# KiCad board Marble_Tiny.kicad_pcb (continued)
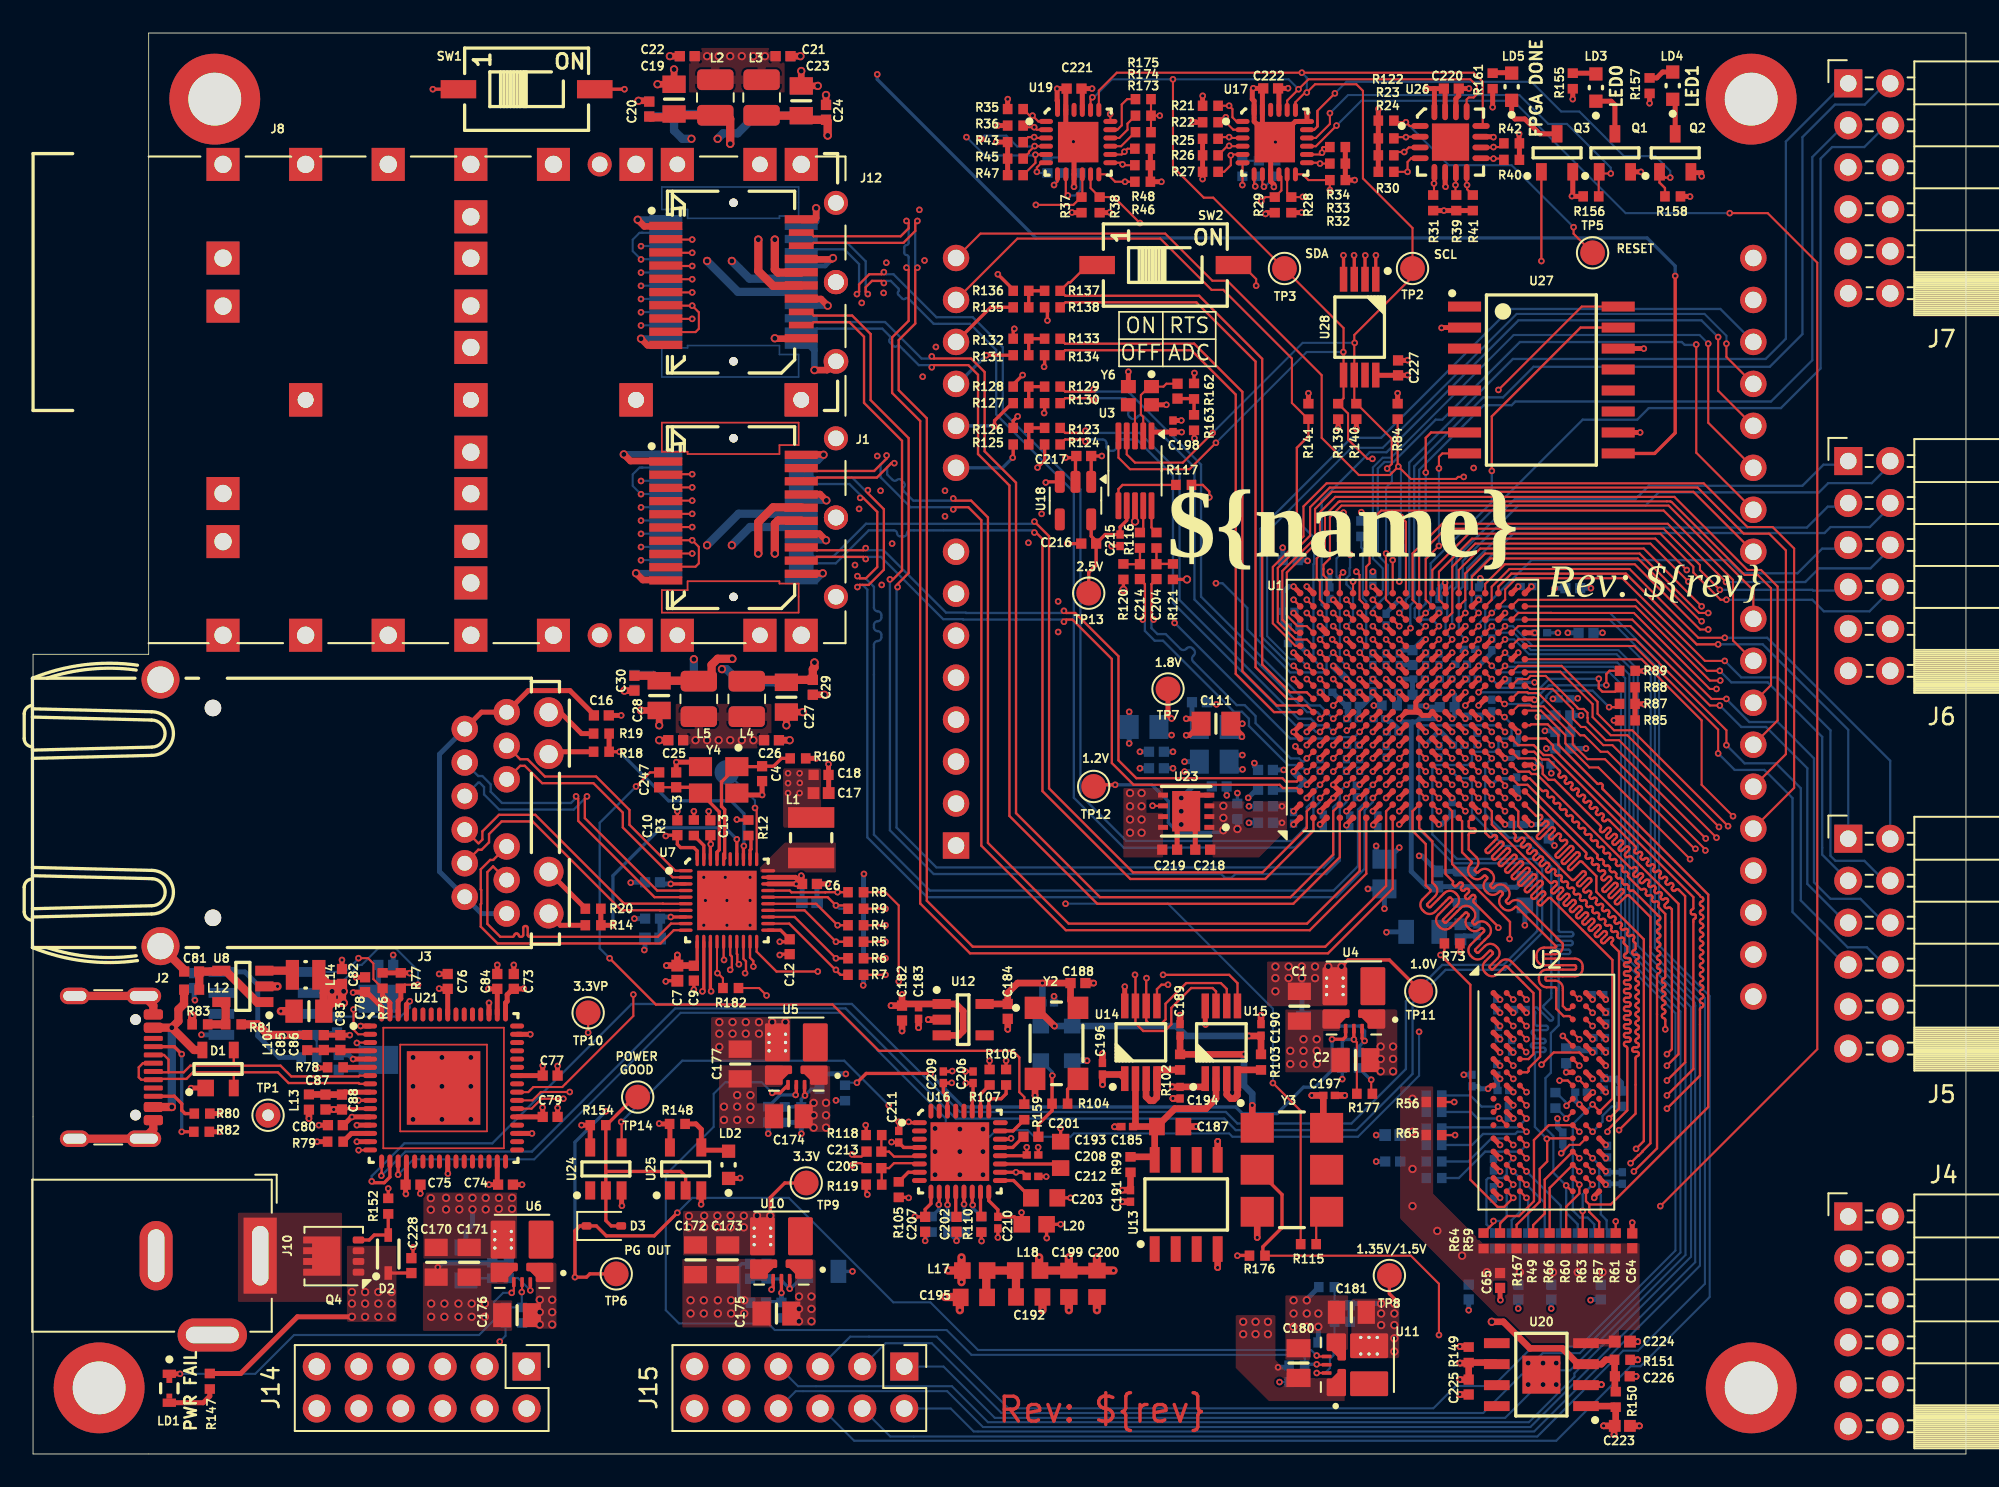
[diagram p0: board, top side]
## Nets (continued)
Net-(Y1-OUT): C193.1 R104.2 Y1.4
Net-(Y2-OUT): R104.1 Y2.3
Net-(Y3-OUT): R115.1 Y3.4

Pads without a net: A1 1 3 5 30; B1 1; B2 1; B3 1; B4 1; J2 A8 B8; J10 3; U2 J1 J9 L1 L9; U4 2; U5 2; U6 2; U7 35; U10 2; U11 2; U12 4; U13 1 2 3 6 7; U16 2 3 8 24 28 29 31 32; U17 22; U18 4; U19 22; U20 5 7 8; U21 21 22 23 24 26 27 28 29 30 32 33 34 36 41 43 44 45 46 48 52 53 54 55 57 58 59 60; U22 6 7; U24 1; U25 1; U26 17; U27 1 3 4 5 6 11 12 13; U28 7; Y3 5

## Via types
v1: diameter 0.4, hole 0.2, Top to Bottom, 966 vias
v2: diameter 0.5, hole 0.3, Top to Bottom, 259 vias

## Routing (per net, layer and track width the routed paths; a pad name or vN(x,y) marks a point on that pad's centre or on a via; arc(x,y) is an arc through that point)
1V8USB: length 8.9
  Top w0.3: v1(19.3,20.39) 19.29,20.4 19.29,20.4 ; 20.2,27.95 21.1,27.05 U21.64 ; v1(29.71,28.16) 29.7,28.15 C73.1 29.05,28.15 28.7,27.8 28.7,27.4 28.6,27.3 U21.49 ; C78.2 19.4,27.95 v1(19.37,27.92) ; v1(30.84,20.97) 30.85,20.96 C79.2 U21.37 ; C80.2 18.79,19.9 19.29,20.4 ; 19.29,20.4 U21.12
+1V0: length 44
  Top w0.2: TP11.1 82.1,29.9 79.6,29.9 v2(79.2,29.5)
  Top w0.3: U1.J12 v1(82.7,47.7) ; U1.N10 v1(86.7,46.1) ; U1.P11 v1(87.5,46.9) ; U1.N8 v1(86.7,43.7) ; U1.N12 v1(86.7,47.7) ; v1(73.2,44.2) C111.2 73.18,43.52 v1(73.18,43.41) ; U1.C5 v1(77.9,41.3) ; U1.K11 v1(84.3,46.9) ; U1.G8 v1(81.1,43.7) ; U1.F7 v1(80.3,42.9) ; U1.F11 v1(80.3,46.9) ; U1.H7 v1(81.9,42.9) ; U1.E5 v1(79.5,41.3) ; U1.M7 v1(85.9,42.9) ; U1.P9 v1(87.5,44.5) ; U1.L8 v1(85.1,43.7) ; U1.K7 v1(84.3,42.9) ; U1.L12 v1(85.1,47.7) ; U1.H11 v1(81.9,46.9) ; U1.G10 v1(81.1,46.1) ; U1.M11 v1(85.9,46.9) ; U1.J8 v1(82.7,43.7) ; U1.H9 v1(81.9,44.5) ; U1.F9 v1(80.3,44.5) ; U1.B4 v1(77.1,40.5) ; U1.F5 v1(80.3,41.3)
  Bottom w0.2: 91.58,43.7 v1(91.51,43.76) ; C106.2 92.05,44.6 ; C121.2 v1(92,45.7)
  Bottom w0.3: C96.2 85.95,42.97 85.22,43.7 v1(85.1,43.7) 85.06,43.7 84.3,42.94 v1(84.3,42.9) ; C107.2 84.4,45.2 v1(84.33,45.27) 83.72,45.27 C105.2 ; C158.2 76.49,40.2 C162.2 ; v1(73.21,41.44) 73.18,41.4 72.9,41.4 C122.2 72.8,42.3 v1(73.2,42.3) ; 92.05,44.6 v1(91.09,44.6) ; C103.2 72.25,39.88 72.26,39.87 v1(72.26,39.86) ; v1(82.7,36.7) 82,36 C110.2 81.3,36.5 v1(81.3,36.8) ; v1(81.1,46.1) 81.1,45.92 80.48,45.3 C120.2 C102.2 ; C94.2 v1(81.9,44.5) 82.08,44.32 82.2,44.32 82.7,43.82 v1(82.7,43.7) ; v2(76.8,28.8) 76.8,26.4 R1.2 ; v1(73.2,44.2) 72.6,44.2 C109.2 72.99,43.41 v1(73.18,43.41) ; C108.2 C89.2 ; C161.2 v1(75.7,41.4) ; C104.2 92.09,43.76 91.64,43.76
  vias: v2(75.2,29.5) v2(75.2,28.8) v2(75.2,28) v2(76,29.5) v2(76,28.8) v2(76.8,29.5) v2(77.6,29.5) v2(77.6,28.8) v2(78.4,29.5)
+1V2: length 14.5
  Top w0.2: v1(65.5,40.5) 64.3,40.5 TP12.1
  Top w0.3: U1.F3 v1(80.3,39.7) ; U1.A2 v1(76.3,38.9) ; v1(79.5,38.05) 79.5,38.1 U1.E1 ; U1.C1 v1(77.9,38.1) ; U1.G2 v1(81.1,38.9)
  Bottom w0.2: v2(72.05,37.75) 71.92,37.62 69.3,37.62 68.72,38.2 68.72,39.5 67.72,40.5 v1(65.5,40.5)
  Bottom w0.3: C167.2 v1(75.6,38.2) ; 72.9,37.85 R114.2 ; C168.2 v1(75.6,39.2)
  vias: v2(72.05,39.22) v2(72.05,38.5) v2(72.9,37.82)
+1V8: length 12
  Top w0.3: U1.P13 v1(87.5,48.5) ; U1.G12 v1(81.1,47.7) ; U1.H13 v1(81.9,48.5) ; TP7.1 68.7,44.72 v1(68.92,44.51) ; U1.M13 v1(85.9,48.5) ; U1.K13 v1(84.3,48.5) ; U1.E11 v1(79.5,46.9)
  Bottom w0.3: 68.12,44.01 68.12,43.81 68.42,43.51 v1(68.92,43.51) ; 68.12,44.01 68.42,44.31 ; 68.12,44.01 68.62,44.51 v1(68.92,44.51) ; C118.2 v1(69,42.5) ; C117.2 v1(69,41.5) ; v1(71.63,45.37) 71.6,45.4 70.9,45.4 71,45.5 C156.2 ; R95.2 49.19,23.01 v1(49.2,23) ; L16.1 v1(81.16,45.3)
  vias: v2(41.54,26.14) v2(41.54,25.44) v2(41.54,24.64) v2(42.34,26.14) v2(42.34,25.44) v2(43.14,26.14) v2(43.14,25.44) v2(43.94,26.14) v2(43.94,25.44) v2(44.74,26.14) v2(45.54,26.14) v2(66.4,40) v2(66.4,39.2) v2(66.4,38.4) v2(66.4,37.6) v2(67.1,40) v2(67.1,39.2) v2(67.1,38.4) v2(67.1,37.6)
+2V5: length 8.4
  Top w0.2: C216.2 64.35,55.25 64.05,55.55 U18.5 ; C216.2 64.35,53.8 63.9,53.35 TP13.1 ; C216.2 64.9,55.65 C215.1 65.8,56.1 66.2,56.5 U3.7
+3V3: length 101.6
  Top w0.127: U19.18 65.21,81.09 v1(65.2,81.1) ; R182.2 43.95,28.2 v1(44.4,27.75)
  Top w0.2: v1(61.3,58.8) 61.34,58.84 U18.3 ; v1(64.69,60.4) C217.2 U18.1 ; R12.2 42.63,38.37 v1(42.6,38.4) ; v1(38.3,37.4) 38.35,37.45 C10.2 39,36.9 39.2,36.7 40,36.7 40.2,36.5 U7.40 ; U7.11 40.2,29.75 ; v2(44.62,14.42) 44.62,15.52 45.5,16.4 TP9.1 ; 39.99,29.56 C9.2
  Top w0.3: U3.1 67.7,61.85 C198.1 69.52,61.85 v1(69.53,61.84) ; R37.2 62.9,75.13 v1(62.89,75.14) ; R155.2 v1(93.2,82) ; U21.42 C77.2 30.85,23.5 v1(30.85,23.5) ; R35.2 58.99,81.99 v1(59,82) ; R30.2 R122.2 81.43,81.39 v1(81.45,81.41) ; U7.28 v1(46.2,34.5) C6.2 ; v1(33.2,19.9) R154.1 33.73,19.89 U24.5 ; v1(97.85,81.75) R157.2 ; U1.T11 v1(89.1,46.9) ; v1(58.3,79.4) R43.2 R47.2 ; R139.2 v1(79,62.1) ; R48.2 R44.2 v1(68.3,77) ; R34.2 R32.2 v1(80,77.1) ; v1(97.5,66.9) 97.5,66.91 U27.14 ; R161.2 v1(88.35,81.51) ; C6.2 46.55,34.95 v1(46.5,35) ; C6.2 46.15,34.9 U7.29 ; U21.31 28.1,16.35 C74.2 v1(27.6,16.3) ; U1.U8 v1(89.9,43.7) ; U1.R14 v1(88.3,49.3) ; U1.U18 v1(89.9,52.5) ; v1(83.2,65.3) 83.19,65.28 C227.2 81.29,65.28 U28.8 ; U1.E10 v1(79.5,46.1) ; v1(80.1,62.05) R140.2 ; U25.5 38.55,19.95 R148.2 37.92,19.97 v1(37.9,20) ; v1(89.95,79.9) 89.95,79.34 R42.2 89.97,78.47 ; v1(70.8,82.2) 70.79,82.19 R21.2 ; U1.C10 v1(77.9,46.1) ; v1(97.53,45.37) 97.5,45.4 R87.2 ; U1.R10 v1(87.5,45.3) ; U1.D17 v1(78.7,51.7) ; U1.L16 v1(85.1,50.9) ; U1.B13 v1(77.1,48.5) ; U21.56 C76.2 24.59,28.15 v1(24.58,28.17) ; R87.2 R85.2 ; R87.2 R88.2 ; v1(64.1,82.64) 64.1,82.64 C221.2 63.51,82.59 U19.21 ; v1(74.61,75.05) 74.68,75.13 R28.2 ; U1.V15 v1(90.9,49.7) ; U1.P17 v1(87.5,51.7) ; 79.3,56.95 v1(79.33,56.97) ; U1.G18 v1(81.1,52.5) ; R84.1 v1(82.6,64.2) ; R31.2 v1(85.4,75.25) R41.2 ; R141.2 v1(77.2,64.2) ; v1(22.57,15.73) 22.55,15.75 C75.2 22.6,16.35 U21.20 ; U17.21 75.41,82.6 C222.2 75.96,82.65 v1(75.97,82.66) ; v1(86.92,82.64) 86.91,82.64 C220.2 86.3,82.2 86.12,82.02 U26.14 ; U1.E14 v1(79.5,49.3) ; U27.2 85.28,68.17 v1(85.26,68.16) ; U1.A16 v1(76.3,50.9) ; R25.2 R27.2 v1(70.79,77.16) ; U1.H15 v1(81.9,50.1)
  Top w0.4: C7.2 v1(38.34,29.56) ; C7.2 39.99,29.56 ; C7.2 v1(39,30.2) ; v1(86.37,4.5) 86.37,4.5 86.8,4.5 ; 88.6,5.43 88.5,5.53 R149.2 C225.2 ; 86.8,5.5 86.37,5.5 v1(86.37,5.5)
  Top w0.5: v1(56.2,11.9) 56.2,11.1 v1(55.4,11.1) ; 56.2,11.2 v1(56.2,10.4)
  Bottom w0.2: R94.1 v1(49.6,11.05) ; C123.2 82.73,54.72 82.73,52.83 v1(82.7,52.8)
  Bottom w0.3: L15.1 81.95,31.6 v1(81.92,31.57) ; v1(89.9,43.7) 89.9,43.15 C124.2 ; C5.2 46.55,33.41 C6.2 ; v1(77.1,48.5) 76.66,48.94 C138.2 76.65,49.06 C126.2 76.65,50.55 v1(76.3,50.9) ; v1(87.5,45.3) 87.85,45.65 C146.2 ; R15.2 50.27,28.38 v1(50.25,28.36) ; C132.2 v1(92.1,52.4) ; 79.3,56.47 79.3,56.95 ; C131.2 77.1,54.1 v1(77.15,54.05) ; 93.45,49.7 v1(92.9,49.7)
  vias: v2(39.7,14.4) v2(39.7,13.7) v2(40.1,43.2) v2(40.62,14.42) v2(40.62,13.72) v2(40.8,84.6) v2(40.8,43.2) v2(41.42,14.42) v2(41.42,13.72) v2(41.5,84.6) v2(41.5,43.2) v2(42.2,84.6) v2(42.2,43.2) v2(42.22,14.42) v2(42.22,13.72) v2(42.9,84.6) v2(42.9,43.2) v2(43.02,14.42) v2(43.02,13.72) v2(43.6,84.6) v2(43.6,43.2) v2(43.82,14.42) v2(44.3,84.6)
+3V3_CLEAN: length 35.7
  Top w0.2: v1(55.61,22.46) 55.6,22.45 C209.1 55.1,21.9 55.35,21.65 U16.30 ; v1(61.36,13.07) 61.35,13.08 L20.2 v1(62.2,13.9) ; v1(56.46,22.44) 56.47,22.45 C206.1 56.9,21.7 56.85,21.65 U16.27 ; v1(51.97,18.88) 51.99,18.85 C211.1 52.7,18.55 U16.4 ; 73.73,12.02 72.92,12.02 v1(72.9,12) ; v1(53,20.1) 53.05,20.05 U16.1 ; v1(53,15.5) 52.97,15.53 R105.1 ; U16.20 60.1,18.05 C208.1 60.15,18.56 v1(60.15,18.56)
  Top w0.4: R99.2 C191.1 v1(65.94,15.96) ; v1(64.74,22.36) 64.73,22.37 C196.1 65.83,22.96 U14.1 ; U15.1 70.95,22.35 70.8,22.2 70.78,22.21 C194.1 68.95,22.21 v1(68.95,22.22) ; Y3.6 78.1,19.94 C197.1 v1(77.4,21.7) ; C182.1 52.7,27.23 U12.1 55.86,27.23 56.3,26.8 56.3,25.6 56.03,25.33 U12.3 ; C182.1 v1(52.6,27.8) ; C182.1 v1(51.94,27.13)
  Top w0.5: C200.1 v1(64.4,11.9) ; C200.1 v1(65.4,11.1) ; C200.1 L18.2 ; C199.1 v1(62.7,11.9) ; 60.9,11.1 v1(60.9,11.9)
+3V3_P: length 64.2
  Top w0.127: TP10.1 v1(33.6,25.5)
  In5.Cu w1: 24.3,15.1 30.3,15.1 32.2,17 32.2,20.07 33.6,21.47 33.6,34.4 34.93,35.73 45.03,35.73 53.75,44.44 A1.4 56.8,44.44 57.49,43.76 57.49,40.17 56.68,39.36 A1.2
  Bottom w0.3: v2(26.6,14.8) 26.6,13.85 26.2,13.45 R91.1
  vias: v2(24.08,15.48) v2(24.08,14.78) v2(25,15.5) v2(25,14.8) v2(25.8,15.5) v2(25.8,14.8) v2(26.6,15.5) v2(27.4,15.5) v2(27.4,14.8) v2(28.2,15.5) v2(28.19,14.84) v2(29,15.5) v2(28.99,14.84)
+3V3_USB: length 28.1
  Top w0.3: U21.50 C84.1 27.57,28.15 v1(27.56,28.15) ; v1(22.8,29.1) 22.78,29.12 R77.2 R76.2 ; R79.2 v1(17.2,18.9)
  Top w0.4: L13.1 v1(16.7,20.3)
  Top w0.5: v2(18.1,28) 17.7,28 17.6,27.9 ; v2(18.1,28) 18.1,27.3 ; v2(18.1,28) 18.79,28 ; L10.1 14.24,25.36 v1(13.6,26) R81.2 ; 18.1,27.3 C83.2 17.6,27.9 ; 18.1,27.3 v2(18.8,27.3) 18.7,27.4 C82.2 17.85,28.45 L14.2 17.6,28.7 17.6,27.9
  Bottom w0.3: R75.1 14.9,24 13.6,25.3 v1(13.6,26) 13.6,28.4 12.83,29.17 U22.8 11.33,29.1 C70.2
  vias: v2(15.22,25.35) v2(18.8,28)
+12V: length 54
  Top w0.2: 23,10.95 D2.1
  Top w0.3: R147.1 12.57,4.87 16,8.3 v2(19.3,8.3)
  In3.Cu w1: A1.8 51.7,50.43 51.7,34.9 50.5,33.7 50.5,29.78 49.3,28.58 49.3,24.27 48.03,23 48,23 47.65,22.65 47.65,19.91
  Bottom w0.2: 45.3,8.28 46.12,8.28 v2(46.37,8.03) ; R142.2 79.25,22.69 v1(79.25,22.69)
  Bottom w0.3: v2(30.67,7.83) 29.8,7.83 29.6,8.03 ; v1(44.5,19.39) 44.5,20.07 ; 76.03,5.25 75.37,5.25 v1(75.36,5.24)
  vias: v2(19.3,9.8) v2(19.3,9.1) v2(20.1,9.8) v2(20.1,9.1) v2(20.1,8.3) v2(20.9,9.8) v2(20.9,9.1) v2(20.9,8.3) v2(21.7,9.8) v2(21.7,9.1) v2(21.7,8.3) v2(30.67,9.33) v2(30.67,8.58) v2(31.42,9.33) v2(31.42,8.58) v2(31.42,7.83) v2(46.37,9.53) v2(46.37,8.78) v2(47.12,9.53) v2(47.12,8.78) v2(47.12,8.03) v2(47.25,21.25) v2(47.25,20.5) v2(47.25,19.75) v2(48,21.25) v2(48,20.5) v2(48,19.75) v2(73.25,8) v2(73.25,7.25) v2(74,8) v2(74,7.25) v2(74.75,8) v2(74.75,7.25) v2(81.57,24.66) v2(81.57,23.91) v2(81.57,23.16) v2(82.32,24.66) v2(82.32,23.91) v2(82.32,23.16)
GND: length 386.8
  Top w0.127: R173.1 R175.1 ; R177.1 81,21.87 v1(81,22.65) ; R174.1 v1(68.2,81)
  Top w0.14: U3.8 66.7,56.44 v2(66.71,56.44)
  Top w0.2: v1(79.32,72.55) 79.33,72.54 U28.4 ; v1(50.5,15.7) 50.43,15.77 R119.2 ; v1(50.4,19.9) 50.43,19.87 R118.2 ; v1(56.43,23.15) 56.43,23.15 C206.2 ; v1(40,28.1) C9.1 ; v1(60.8,59.7) 61.23,60.13 R124.1 ; v1(61.33,16.79) 61.31,16.8 C212.2 ; R163.1 70.28,61.5 v1(70.3,61.47) ; U28.3 79.97,72.53 v1(79.96,72.55) ; R134.1 61.23,65.83 v1(61.2,65.8) ; U21.10 v1(19.7,21.4) ; v1(59.4,68.1) 59.33,68.03 R132.2 ; C202.2 v1(55.9,12.9) ; R3.2 v1(40,38.9) ; v1(60.84,18.56) 60.85,18.55 C208.2 ; R106.1 v1(58.9,23.8) ; R152.1 21.5,16.06 v1(21.5,16.06) ; R107.1 v1(57.9,23.8) ; R110.1 57.4,12.9 v1(57.41,12.88) ; v1(80.64,72.54) 80.62,72.52 U28.2 ; v1(65.29,54.94) 65.29,54.95 C215.2 ; C211.2 v1(52.4,20.1) ; R130.1 61.23,63.03 v1(61.2,63) ; 23,11.85 v1(23,12.5) ; U16.22 59.15,19.05 v1(59.2,19.1) ; v1(40.9,38.9) 40.9,38.45 C13.1 ; R120.1 v2(66,52.3) ; C210.2 v1(58.4,13.1) ; v1(59.9,65.3) 59.33,64.73 R128.2 ; SW1.1 v1(24.2,82.6) ; R138.1 61.4,69.23 v1(61.4,68.6) ; C7.1 38.34,28.64 v1(38.3,28.6) ; v1(58.4,71.4) 59.33,70.47 R136.2 ; v1(59.6,62.8) 59.33,62.53 R126.2 ; C203.2 v1(62.8,15.5) ; U21.11 18.75,20.9 C88.1 ; C12.1 45.25,30.25 v1(45.2,30.2) ; v1(62.5,60.3) 63.05,60.3 C217.1 63.1,60.35 U18.2 ; v1(81.29,72.55) 81.28,72.54 U28.1 ; C207.2 v1(54,12.9) ; C209.2 55.62,23.15 v1(55.64,23.17) ; C216.1 v1(62.6,55.1) ; C201.2 v1(62.2,19.7) ; C10.1 v1(39,38.9) ; v2(69.85,52.93) R121.1
  Top w0.3: C64.2 v1(96.8,14) ; v1(35.64,15.02) 35.62,15.04 U24.3 ; U17.25 v1(75.2,79.4) ; U17.25 74.41,80.15 U17.23 74.41,82.6 C222.1 73.87,82.65 v1(73.86,82.66) 73.8,82.59 73.8,82 73.91,81.89 U17.24 73.91,80.91 ; U17.25 76.41,80.65 76.59,80.65 76.6,80.65 U17.18 77.11,81.17 v1(77.12,81.18) ; U17.25 73.92,80.65 73.92,80.83 ; U17.25 74.91,79.15 U17.9 74.91,77.03 75.11,76.83 v1(75.11,76.69) ; v1(88.4,79.7) 88.38,79.72 U26.11 ; v1(48.1,34.5) C6.1 ; U1.E6 v1(79.5,42.1) ; U19.25 63.01,79.15 U19.9 63.01,76.7 v1(63.01,76.7) ; U19.25 63,79.4 v1(62.97,79.43) ; U19.25 62.51,80.15 U19.23 62.51,82.59 C221.1 62,82.64 v1(61.99,82.63) 61.99,81.91 62.01,81.89 U19.24 ; C16.1 v1(35.6,44.7) ; C73.2 v1(29.1,29.6) ; U1.J17 v1(82.7,51.7) ; Y4.4 42.72,39.88 v1(44.13,39.88) 44.13,39.89 C4.2 ; U1.V1 v1(90.7,38.1) ; U1.D7 v1(78.7,42.9) ; C84.2 v1(28.1,29.6) ; U2.P1 v1(88.8,17.1) ; v1(85.5,76.7) 85.47,76.72 U26.6 ; C85.1 C86.1 19.17,25.35 v1(19.17,25.35) ; U2.B1 v1(88.8,26.7) ; U1.C6 v1(77.9,42.1) ; U1.J3 v1(82.7,39.7) ; U2.D8 v1(94.4,25.1) ; C82.1 v1(18.7,29.9) ; U1.D4 v1(78.7,40.5) U1.D3 v1(78.7,39.7) U1.C2 v1(77.9,38.9) ; R82.2 v1(11.3,19.5) ; U14.8 66.08,28.28 v1(66.08,28.28) ; U1.F4 v1(80.3,40.5) ; C77.1 31.75,23.48 v1(31.75,23.48) ; U1.A7 v1(76.3,43.7) U1.A8 ; U1.P2 v1(87.5,38.9) ; R36.1 v1(58.4,80.4) ; v1(90.89,45.64) 90.82,45.7 U1.V10 ; v1(94.5,15.5) 94.5,15.6 U2.T9 ; C80.1 v1(17.3,19.9) ; v1(83.2,66.2) 83.19,66.19 C227.1 ; R160.1 v1(47.4,42.1) ; U2.G8 v1(94.4,22.7) ; U1.L7 v1(85.1,42.9) ; v1(69.8,43.5) 70,43.5 C111.1 70.4,44.5 v1(69.8,44.5) ; U21.5 v1(19.37,23.9) ; U2.A9 v1(95.2,27.5) ; U1.E2 v1(79.5,38.9) ; U1.H6 v1(81.9,42.1) ; U21.1 v1(19.83,25.9) ; U1.T16 v1(89.1,50.9) ; v1(9.56,22.14) 9.57,22.15 D1.1 ; U1.G6 v1(81.1,42.1) ; U1.N5 v1(86.7,41.3) ; 100.35,77.55 101,77.55 101,77.55 v1(101,77.33) ; 20.2,28.85 19.55,28.85 v1(19.55,28.85) ; U25.3 40.45,15.12 v1(40.44,15.11) ; U1.H5 v1(81.9,41.3) ; 84.8,82.64 C220.1 85.47,82.56 U26.15 ; 84.8,82.64 84.83,82.61 U26.16 ; 84.8,82.64 84.38,82.64 v1(84.36,82.66) ; U1.R9 v1(88.3,44.5) ; U1.G7 v1(81.1,42.9) ; v1(23.44,15.76) 23.45,15.77 C75.1 ; J3.13 31.91,32 R14.1 ; U1.N11 v1(86.7,46.9) ; U15.8 70.95,26.01 v1(70.97,25.99) ; v1(81.12,38.06) 81.12,38.12 U1.G1 ; U1.B3 v1(77.1,39.7) ; U1.J1 v1(82.7,38.1) ; U1.U3 v1(89.9,39.7) ; v1(86.4,30.4) 86.4,30.87 R73.1 ; U2.M1 v1(88.8,18.7) ; C76.1 24.58,29.05 v1(24.58,29.05) ; U1.N15 v1(86.7,50.1) ; v1(100.3,76.1) 100.28,76.11 R158.1 ; v1(94.42,21.88) 94.38,21.88 U2.J8 ; v1(17.27,23.36) 17.79,23.36 R78.1 ; v1(97.52,47.39) 96.99,47.39 R89.1 ; U1.F10 v1(80.3,46.1) ; J3.15 31.35,42.5 R18.1 ; v1(88.82,9.31) 88.8,9.33 C65.2 ; U2.E1 v1(88.8,24.3) ; U1.V18 v1(90.7,52.5) ; U1.B7 v1(77.1,42.9) ; U1.K14 v1(84.3,49.3) ; U1.L13 v1(85.1,48.5) ; v1(42.8,16.7) 42.77,16.67 LD2.1 ; U1.L11 v1(85.1,46.9) ; U1.N9 v1(86.7,44.5) ; v1(29.6,16.3) C74.1 ; U2.D1 v1(88.8,25.1) ; U1.D12 v1(78.7,47.7) ; U23.4 69.88,39.87 69.8,39.8 U23.9 ; U1.M10 v1(85.9,46.1) ; Q3.2 93.2,76.18 v1(93.15,76.13) 93.16,76.11 R156.1 ; U1.J13 v1(82.7,48.5) ; v1(69.51,62.55) 69.51,62.55 C198.2 ; U2.B9 v1(95.2,26.7) ; v1(65.17,75.15) 65.15,75.13 R38.1 ; v1(31.75,20.95) 31.75,20.94 C79.1 ; v1(76.79,75.14) 76.78,75.13 R29.1 ; U1.J7 v1(82.7,42.9) ; U1.A18 v1(76.3,52.5) ; U2.J2 v1(89.6,21.1) ; U1.A1 v1(76.3,38.1) ; U1.L1 v1(85.1,38.1) ; U1.M8 v1(85.9,43.7) ; v1(85.47,52.74) 85.5,52.71 U1.M18 ; U1.J11 v1(82.7,46.9) ; U23.9 70.35,38.35 C218.1 ; U23.9 69.25,38.35 C219.1 ; v1(97.32,77.6) 97.32,77.6 Q1.2 ; Y4.2 40.13,41.87 v1(38.94,41.87) 38.93,41.86 C3.2 ; U2.F9 v1(95.2,23.5) ; U1.K8 v1(84.3,43.7) ; U21.13 v1(19.6,19.9) ; v1(97.28,61.82) 97.28,61.82 U27.10 ; U1.B18 v1(77.1,52.5) ; v1(25.11,16.97) 25.1,16.98 U21.25 ; U2.T1 v1(88.8,15.5) ; U2.M9 v1(95.2,18.7) ; U1.G13 v1(81.1,48.5) ; R80.2 v1(11.3,20.6) ; U1.F6 v1(80.3,42.1) ; U1.E7 v1(79.5,42.9) ; v1(70.2,80.62) 70.37,80.62 70.39,80.6 R22.1 ; U1.P8 v1(87.5,43.7) ; U1.H3 v1(81.9,39.7) ; U1.E9 v1(79.5,44.5) ; U21.51 v1(27.6,27.3) ; U1.M9 v1(85.9,44.5) ; U21.15 v1(19.6,18.9) ; Y6.4 v1(68.6,63.5) ; U1.M12 v1(85.9,47.7) ; U1.K4 v1(84.3,40.5) ; U1.T6 v1(89.1,42.1) ; U2.E2 v1(89.6,24.3) ; U2.G9 v1(95.2,22.7) ; v1(48.15,41.75) C18.1 48.16,41.09 C17.1 ; U1.P12 v1(87.5,47.7) ; U2.G1 v1(88.8,22.7) ; U1.K12 v1(84.3,47.7) ; U1.H12 v1(81.9,47.7) ; U1.G5 v1(81.1,41.3) ; U2.B3 v1(90.4,26.7) ; U1.H4 v1(81.9,40.5) ; U1.N7 v1(86.7,42.9) ; U1.F16 v1(80.3,50.9) ; U1.C7 v1(77.9,42.9) ; U1.G11 v1(81.1,46.9) ; U21.35 v1(30.2,19.4) ; U1.G9 v1(81.1,44.5) ; U1.B8 v1(77.1,43.7) ; U21.47 v1(30.1,25.4) ; U1.H10 v1(81.9,46.1) ; Y6.2 v1(66.3,65.5) ; U1.H8 v1(81.9,43.7) ; U1.A5 v1(76.3,41.3) ; U1.J2 v1(82.7,38.9) ; U1.U13 v1(89.9,48.5) ; U1.N13 v1(86.7,48.5) ; U1.A11 v1(76.3,46.9) ; U2.E8 v1(94.4,24.3) ; U2.P9 v1(95.2,17.1)
  Top w0.4: v1(97.23,1.7) 97.23,1.7 96.8,1.7 ; 46.5,60.49 47.83,60.49 v2(47.85,60.48) ; v1(65.47,19.8) 65.47,19.8 65.9,19.8 ; v1(77.9,50.1) U1.C15 ; 46.5,74.7 47.3,74.7 47.4,74.8 v2(47.4,75.4) ; v1(64.73,24.22) 64.73,24.21 C196.2 ; C25.1 v2(37.9,43.2) ; v1(97.13,6.8) 97.13,6.8 96.7,6.8 ; C184.2 v1(59,25.7) ; v1(86.37,3.6) 86.37,3.6 86.8,3.6 ; v2(35.76,60.5) 36.16,60.09 38.3,60.09 ; 38.3,74.3 37,74.3 v2(36.6,74.7) ; C29.1 47.92,45.95 ; Y2.2 60.65,21.7 v1(60.65,21.7) ; Y3.3 v1(74.1,13.1) ; v2(36.8,45) C28.1 v2(37.9,44.1) ; U13.4 71.7,11.28 v1(71.7,11.28) ; v2(36.8,67.5) 37.2,67.1 38.3,67.1 ; v1(71.71,18.92) 71.7,18.92 U13.5 ; v2(47.3,65.6) 48.07,65.6 48.1,65.63 48.1,66.13 ; 86.8,6.5 86.37,6.5 v1(86.37,6.5) ; C190.2 74.33,26.54 v1(74.34,26.55) ; v1(69,21.52) 69,21.51 69.43,21.51 ; C183.2 v1(53.6,25.8) ; v2(47.5,82.8) C23.1 v2(46.5,83.7) ; v1(97.13,5.7) 97.13,5.7 96.7,5.7 ; v2(37.8,82.9) C19.1 v2(38.8,83.8) ; v2(45.6,44.1) C27.1 v2(46.6,44.9) ; v1(97.03,4.7) 97.03,4.7 96.6,4.7 ; v1(65.94,15.26) C191.2 ; U12.2 54.19,26.28 v1(54.19,26.29) ; 46.5,58.09 47.64,58.09 v2(48.02,57.71) ; C30.1 v2(35.8,46.2) ; v1(70.4,19.82) 70.4,19.81 C187.2 ; 38.3,52.89 36.91,52.89 v2(36.5,53.3) ; v2(48.1,69.5) 47.7,69.9 46.5,69.9 ; C88.1 v1(18.2,20.85) C87.1 ; 44.9,67.5 46.5,67.5 ; v1(69.43,26.56) 69.43,26.56 C189.2 ; v2(46.45,84.6) C21.1 ; v2(48,82.25) C24.1 ; 46.5,72.3 48.34,72.3 v2(48.42,72.38) ; C26.1 v2(45.8,43.2) ; v1(94.93,4.2) 94.93,4.2 94.5,4.2 ; v2(47.8,53.3) 47.8,53.29 46.5,53.29 ; 46.5,55.69 47.6,55.69 v2(48,55.3) ; v2(36.65,81.9) 37.25,81.9 C20.1 ; C188.2 v1(64.2,28.5) ; v2(38.55,84.6) C22.1 ; C182.2 v1(52.6,25.6) ; C197.2 v1(79.4,21.7)
  Top w0.5: J2.A1 7.28,27.14 J2.S1 J2.S1 ; C83.1 v1(15,26.8) ; R83.2 9.63,26.53 v1(9.63,26.54) ; U8.2 v1(14.8,28.3) ; J2.S1 J2.S1 7.28,19.65 J2.A12 ; C81.1 9.15,29.3 J3.17 ; 56,9.5 v1(55.2,9.5) ; 56.1,9.5 v1(56.1,8.7) ; C199.2 v1(62.7,8.7) ; C200.2 v1(64.4,8.7) ; C192.2 v1(61.1,8.7)
  Bottom w0.127: R172.1 R170.1 ; R164.1 R166.1 ; 48.62,21.38 v1(48.6,21.4) ; R181.1 28.6,7.15 v1(28.25,6.8) ; R180.1 v1(75.45,4.35)
  Bottom w0.2: R112.1 55.4,13.4 v1(55.9,12.9) 55.9,12.93 R108.1 ; R111.1 54,13.03 v1(54,12.9) ; C130.1 v1(92.3,49.7) ; v1(93.5,45.73) 93.47,45.7 C121.1 ; C123.1 82.7,56.15 v1(82.67,56.17) ; C129.1 90.05,46.7 v1(90.89,46.7) ; R110.1 57.4,12.9 v1(57.41,12.88) ; R2.1 80.97,22.65 v1(81,22.65) ; 42.85,9.4 42.72,9.53 42.72,11.34 42.89,11.51 C178.1 43.42,11.53 R93.2 ; v1(91.9,41.2) 91.85,41.25 C145.1 ; R178.1 48.62,21.38
  Bottom w0.3: C153.1 86.61,31.35 C152.1 v1(86.4,30.4) ; v2(77.8,7.7) 77.8,6.77 R98.1 ; v1(76.3,52.5) 76,52.5 75.65,52.15 C125.1 75.65,50.21 75.95,49.91 75.95,49.06 C138.1 ; C168.1 v1(73.6,39.2) ; v1(24.5,11.3) 24.77,11.57 R92.2 28.78,11.57 C179.1 ; v1(82.7,46.9) C90.1 83.5,46.85 C105.1 ; v1(36.18,34.58) 36.2,34.6 C14.1 ; C68.2 v1(86.9,8.7) ; v1(80.8,34.2) C110.1 v1(81.8,33) ; C135.1 81.9,50.9 v1(82.7,51.7) ; C143.1 85.25,38.1 v1(85.1,38.1) ; C141.1 91.7,38.1 v1(90.7,38.1) C144.1 ; v1(84.3,49.3) 84.15,49.3 C108.1 82.9,48.65 C89.1 ; C11.1 37.04,30.54 v1(37,30.5) ; 88.65,22.3 C239.1 88.6,22.05 88.6,22.95 88.6,22.35 88.65,22.3 ; 88.65,22.3 88.65,22.55 v1(88.8,22.7) ; v1(46.51,19.39) 46.5,19.39 R96.1 R97.1 ; C62.2 v1(81.3,19.3) ; 96.1,17.05 95.2,17.05 ; R13.1 R17.1 50.27,35.08 v1(50.29,35.11) ; C140.1 88.3,48.5 v1(87.5,47.7) ; C156.1 70.15,44.45 C109.1 ; v2(69.5,39.7) 70.2,40.4 C103.1 ; C137.1 79.55,45.2 79.55,44.9 ; v1(85.9,44.5) 86.05,44.65 C107.1 86.05,45.95 v1(85.9,46.1) ; v1(73.55,39.71) 74.04,40.2 C162.1 ; 94.4,21.87 v1(94.42,21.88) ; C61.1 93.55,24.55 93.7,24.4 94.3,24.4 v1(94.4,24.3) ; C72.2 v1(21.8,30.2) ; C142.1 v1(91.6,42.7) ; C66.2 v1(91.9,8.8) ; C118.1 v1(67,42.5) ; v1(62.97,79.43) 63.4,79 R172.1 ; 46.5,71.91 47.95,71.91 v2(48.42,72.38) ; v1(86.6,22.95) 86.6,22.95 C250.1 ; 79.55,44.9 C120.1 ; 79.55,44.9 C102.1 ; C15.1 v1(36.4,32.4) ; C63.2 v1(81.3,17.7) ; C69.2 94.32,9.35 v1(94.28,9.31) ; v1(48.1,34.5) C6.1 47.45,33.41 C5.1 ; v1(89.1,42.1) 89.55,42.1 C124.1 ; v1(75.2,79.4) R166.1 ; v1(92.27,20.3) 92.27,19.78 C249.1 ; v1(89.9,39.7) 89.9,40.15 C149.1 ; C70.1 9.75,27.51 v1(9.8,27.46) ; v1(69.8,43.5) 70.1,43.5 C109.1 ; v1(66.35,43.01) C119.1 v1(66.35,44.92) ; C131.1 75.65,54.75 75.64,54.76 v1(75.64,54.85) ; C109.1 70.3,43.7 ; C109.1 70.6,44.2 70.3,44.5 v1(69.8,44.5) ; C67.2 v1(89.9,8.8) ; v1(69.7,41.9) C122.1 70.6,41.7 70.2,41.3 v1(69.7,41.3) ; R169.1 77.1,9.37 v2(77.1,9.3) ; C133.1 v1(95,49.7) ; C117.1 v1(67,41.5) ; v1(88.3,44.5) C146.1 ; C134.1 v1(78.5,53.4) ; C128.1 85.1,52.37 v1(85.47,52.74) ; U22.5 10.2,25.36 v1(10.19,25.37) ; R90.1 v1(80.4,57) ; v1(93.7,44.7) C106.1 C104.1 ; C132.1 v1(94.3,52.4) ; C161.1 73.93,41.62 v1(73.93,41.82) ; v1(19.37,23.9) 19.12,24.15 C71.2 ; L11.1 v1(90.3,32) ; C167.1 v1(73.6,38.2)
  Bottom w0.4: v2(47.5,82.8) C23.1 ; 38.3,60.5 35.76,60.5 v2(35.76,60.5) ; v2(48,55.3) 47.99,55.3 46.5,55.3 ; C41.1 36.35,46.2 v2(35.8,46.2) ; v2(46.45,84.6) 45.8,84.6 ; v2(36.8,67.5) 36.81,67.51 38.3,67.51 ; v1(95.2,22.7) 95.85,22.7 96.1,22.45 R72.2 ; C186.2 v1(61.8,27.7) ; v2(36.8,45) C28.1 v2(37.9,44.1) ; v2(47.85,60.48) 47.85,60.45 47.51,60.1 46.5,60.1 ; v2(46.5,83.7) 46.5,82.7 ; v2(45.6,44.1) C27.1 v2(46.6,44.9) ; Y1.3 v1(63.8,23.8) ; v2(36.5,53.3) 38.3,53.3 ; C127.1 87.6,52.55 v1(87.6,53) ; v2(36.6,74.7) 36.61,74.71 38.3,74.71 ; 46.5,52.9 47.41,52.9 v2(47.8,53.3) ; v2(37.8,82.9) C19.1 ; v2(48.1,69.5) 48.09,69.51 46.5,69.51 ; 46.5,74.31 47.11,74.31 47.4,74.6 v2(47.4,75.4) ; v2(48.02,57.71) 47.8,57.71 47.8,57.7 46.5,57.7 ; v2(47.9,45.95) 47.4,45.95 ; v2(38.8,83.8) 38.8,82.8 ; v2(47.3,65.6) 47.3,66.8 46.99,67.11 46.5,67.11 ; v2(36.65,81.9) 37.3,81.9 ; v2(37.9,43.2) C25.1 ; C136.1 v1(81.1,53.4) ; v2(45.8,43.2) C26.1 ; v2(38.55,84.6) 39.2,84.6 ; v2(48,82.25) 48,81.6
  vias: v1(40.6,34.9) v1(40.6,32) v1(40.7,33.5) v1(41.9,34.9) v1(42,33.5) v1(42,32) v1(43.4,34.9) v1(43.4,33.5) v1(43.4,32) v1(49.75,53.8) v1(50,57.2) v1(50.16,69.67) v1(51.1,60.4) v1(51.3,58.3) v1(51.37,52.6) v1(51.49,70.27) v1(51.65,72.1) v1(52,55.1) v1(53.65,75.3) v1(53.85,65.2) v1(53.96,72.23) v1(54.65,67) v1(55.2,58.3) v1(55.2,56.75) v1(60.25,55.15) v1(61.05,56.9) v1(62.05,51.6) v1(62.05,49.75) v2(23,24) v2(23,22.25) v2(23,20.25) v2(24.1,9.1) v2(24.1,8.3) v2(24.75,24) v2(24.75,22.25) v2(24.75,20.25) v2(24.9,9.1) v2(24.9,8.3) v2(25.75,9.1) v2(25.75,8.3) v2(26.5,24) v2(26.5,22.25) v2(26.5,20.25) v2(26.55,9.1) v2(26.55,8.3) v2(27.35,9.1) v2(27.35,8.3) v2(39.8,9.3) v2(39.8,8.5) v2(40.6,9.3) v2(40.6,8.5) v2(41.45,9.3) v2(41.45,8.5) v2(41.82,21.02) v2(41.82,20.22) v2(42.25,9.3) v2(42.25,8.5) v2(42.62,21.72) v2(42.62,21.02) v2(42.62,20.22) v2(43.05,9.3) v2(43.05,8.5) v2(43.42,21.72) v2(43.42,21.02) v2(43.42,20.22) v2(44.9,67.52) v2(54.6,19.7) v2(54.6,18.3) v2(54.6,16.9) v2(56.1,19.66) v2(56.1,18.3) v2(56.1,16.9) v2(57.5,19.66) v2(57.5,18.3) v2(57.5,16.9) v2(69.5,38.9) v2(69.5,38.1) v2(76.1,24.4) v2(76.1,23.6) v2(76.3,9.3) v2(76.3,8.5) v2(76.3,7.7) v2(76.9,25.1) v2(76.9,24.4) v2(76.9,23.6) v2(77.1,8.5) v2(77.1,7.7) v2(77.7,25.1) v2(77.7,24.4) v2(77.7,23.6) v2(77.8,8.5) v2(90.5,5.5) v2(90.5,4.2) v2(91.4,5.5) v2(91.4,4.2) v2(92.2,5.5) v2(92.2,4.2)
/Arduino/A0: length 4.5
  Top w0.2: R125.1 59.33,60.33 v1(59.3,60.3)
  Bottom w0.2: v1(59.3,60.3) 58.69,59.68 A1.9
/Arduino/A1: length 4.2
  Top w0.2: R127.1 59.26,63.6 58.2,62.54 v1(58.2,62.2)
  Bottom w0.2: A1.10 58.17,62.22 v1(58.2,62.2)
/Arduino/A2: length 4.2
  Top w0.2: R131.1 v1(57.7,66.5)
  Bottom w0.2: 55.87,64.76 55.97,64.76 v1(57.7,66.5)
/Arduino/A3: length 4.3
  Top w0.2: R135.1 57.97,69.4 A1.12
/Clock-WR/WR_DAC_OUT1: length 15.5
  Top w0.4: R103.1 C190.1 74.31,25.3 v1(73.6,25.3) ; Y2.1 60.73,27 v1(61.83,25.9)
  Bottom w0.4: v1(61.83,25.9) Y1.1 69.2,25.9 69.8,25.3 v1(73.6,25.3)
/Clock-WR/WR_DAC_OUT2: length 9.8
  Top w0.4: v1(73.8,21.1) 73.8,20.04 Y3.1 ; C189.1 R102.1 73.28,24.18 v1(73.3,24.2)
  Bottom w0.4: v1(73.8,21.1) 73.8,21.8 73.3,22.3 v1(73.3,24.2)
/Clock-WR/WRCLK0_N: length 3.5
  Top w0.14: R118.1 51.35,19.28 C213.2 51.82,18.3 52.12,18 53.3,18 53.35,18.05 U16.5
/Clock-WR/WRCLK0_P: length 3.4
  Top w0.14: R119.1 51.37,17.28 ; C205.2 51.82,17.3 52.12,17.6 53.3,17.6 53.35,17.55 U16.6
/Ethernet/LED0: length 1.5
  Top w0.2: U7.32 43.4,36.54 43.45,36.6 43.45,37.27 R12.1
/Ethernet/LED1: length 13.6
  Top w0.2: v1(35.5,42.5) R18.2 ; U7.33 43,36.77 v1(43.03,36.8)
  Top w0.3: R18.2 R19.1
  Bottom w0.2: v1(43.03,36.8) 43.03,38.75 42.24,39.53 38.47,39.53 v1(35.5,42.5)
/Ethernet/LED2: length 14.9
  Top w0.2: v1(42.6,37.2) U7.34
  Top w0.3: v1(35.1,32) R14.2 R20.1
  Bottom w0.2: v1(35.1,32) 35.1,35 38,37.9 41.9,37.9 v1(42.6,37.2)
/Ethernet/MDI0_N: length 14.5
  Top w0.14: U7.2 38.72,34.9 35.7,37.92 35.7,38.82 33.92,40.6 30.82,40.6 29.77,41.65 29.49,41.65 J3.10
/Ethernet/MDI0_P: length 14.5
  Top w0.14: U7.1 38.88,35.3 36.1,38.08 36.1,38.98 34.08,41 30.98,41 29.93,42.05 29.49,42.05 J3.11